# Altium PCB JacdacMicroBitShieldLPEc 113.PcbDoc
Units mm, origin at the board's own origin, x right, y up, seen from the top; angles counter-clockwise.
Board outline 29.6 x 65 mm, 2 copper layers (Top Layer, Bottom Layer), stack 1.525 mm thick; 33 components, 11 nets, 160 pads, 32 vias.
Unrouted connection lines stored in the file: 32.
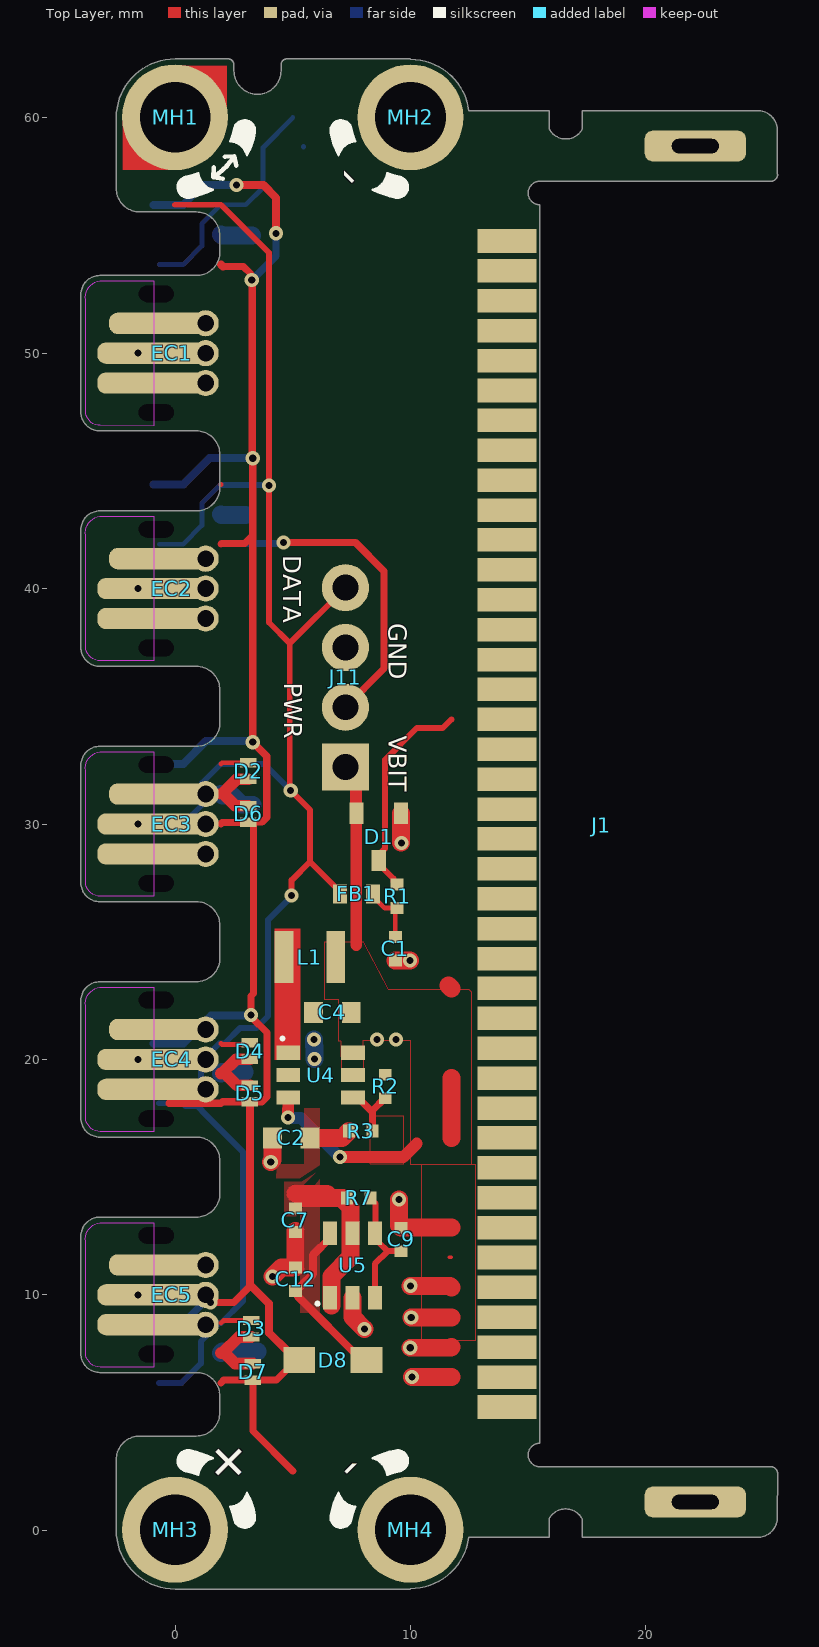
[diagram p0: Top Layer view]
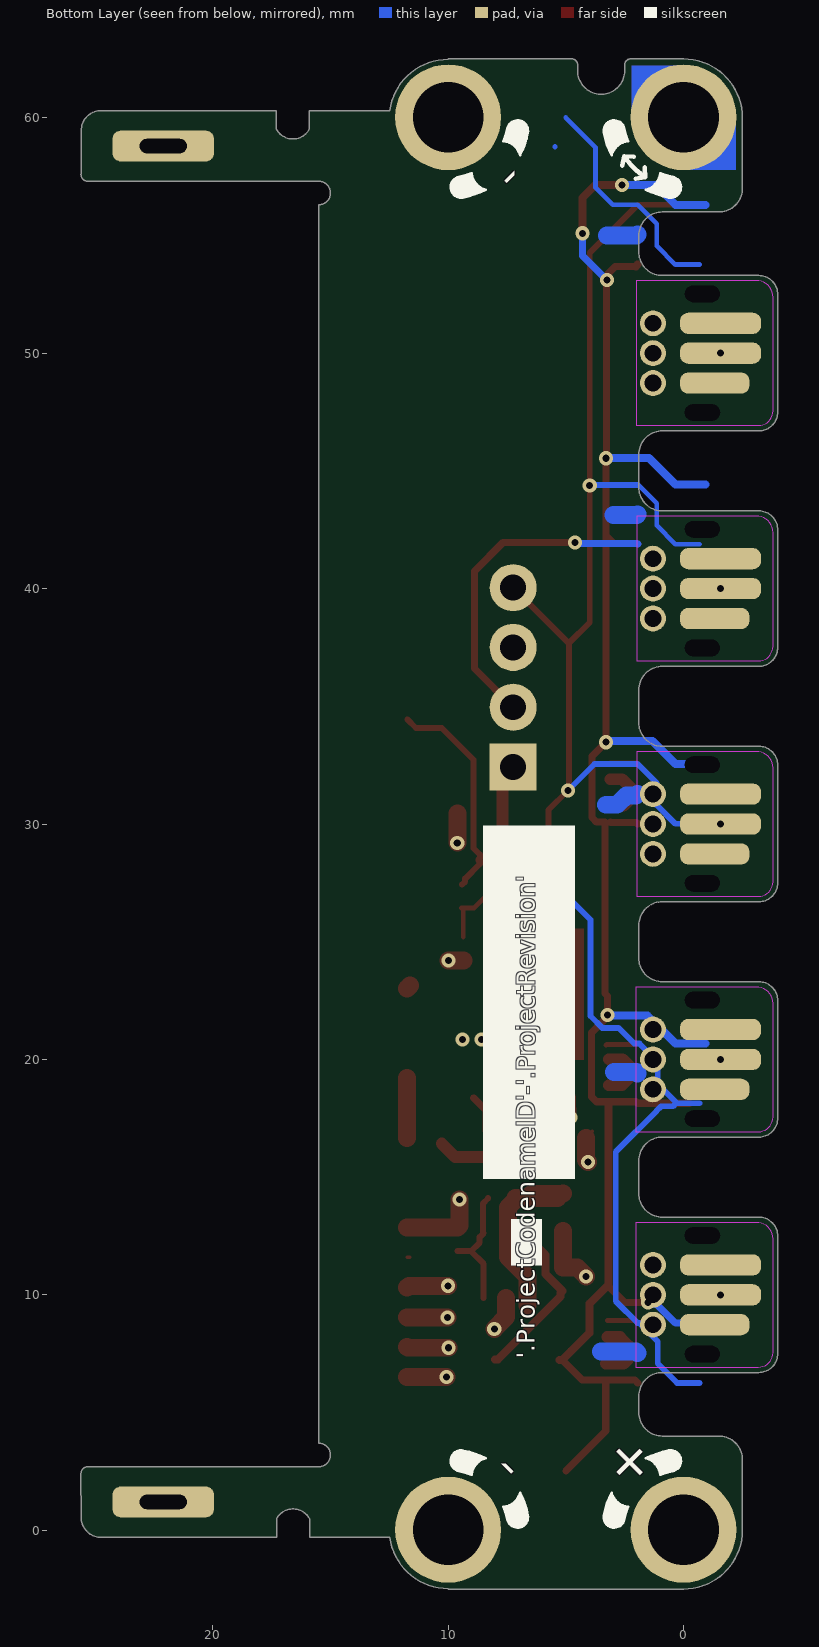
[diagram p1: Bottom Layer view, seen from below]

## Layer stack, top to bottom
Top Solder: solder mask 0.0102, Solder Resist, Dk 3.5
Top Layer: signal copper 0.0356
Dielectric 1: core 1.454, FR-4, Dk 4.2
Bottom Layer: signal copper 0.0356
Bottom Solder: solder mask 0.0102, Solder Resist, Dk 3.5

## Board outline
-4,7.5 ccw(c-3.2,7.5) -3.2,6.7 0.9,6.7 cw(c0.9,5.7) 1.9,5.7 1.9,5 cw(c0.9,5) 0.9,4 -1.5,4 ccw(c-1.5,3) -2.5,3 -2.5,3.03 -2.5,0 ccw(c0,0) 0,-2.5 10,-2.5 9.998,-2.479 ccw(c9.998,0.021) 12.477,-0.303 12.473,-0.303 15.888,-0.303 15.888,0.49 cw(c16.588,0.108) 17.288,0.49 17.288,-0.299 24.727,-0.299 24.736,-0.302 ccw(c24.736,0.548) 25.586,0.548 25.599,2.4 ccw(c25.299,2.4) 25.299,2.7 15.5,2.7 cw(c15.5,3.2) 15.5,3.7 15.5,30 15.5,56.301 cw(c15.5,56.801) 15.5,57.301 15.5,57.3 25.299,57.3 ccw(c25.299,57.6) 25.599,57.6 25.587,57.6 25.587,59.453 ccw(c24.736,59.453) 24.736,60.303 17.298,60.303 17.298,59.514 17.297,59.515 cw(c16.597,59.897) 15.897,59.515 15.898,59.514 15.898,60.304 12.479,60.304 12.479,60.303 ccw(c10,59.979) 10,62.479 10,62.5 4.75,62.5 ccw(c4.75,62.25) 4.5,62.25 4.5,62 cw(c3.5,62) 2.5,62 2.5,62.25 ccw(c2.25,62.25) 2.25,62.5 0,62.5 ccw(c0,60) -2.5,60 -2.5,56.97 -2.5,57 ccw(c-1.5,57) -1.5,56 0.9,56 cw(c0.9,55) 1.9,55 1.9,54.3 1.902,54.3 cw(c0.902,54.3) 0.902,53.3 0.9,53.3 -3.2,53.3 ccw(c-3.2,52.5) -4,52.5 -4,47.5 ccw(c-3.2,47.5) -3.2,46.7 0.9,46.7 cw(c0.9,45.7) 1.9,45.7 1.902,44.3 cw(c0.902,44.3) 0.902,43.3 0.9,43.3 -3.2,43.3 ccw(c-3.2,42.5) -4,42.5 -4,37.5 ccw(c-3.2,37.5) -3.2,36.7 0.9,36.7 cw(c0.9,35.7) 1.9,35.7 1.902,34.3 cw(c0.902,34.3) 0.902,33.3 0.9,33.3 -3.2,33.3 ccw(c-3.2,32.5) -4,32.5 -4,27.5 ccw(c-3.2,27.5) -3.2,26.7 0.9,26.7 cw(c0.9,25.7) 1.9,25.7 1.902,24.3 cw(c0.902,24.3) 0.902,23.3 0.9,23.3 -3.2,23.3 ccw(c-3.2,22.5) -4,22.5 -4,17.5 ccw(c-3.2,17.5) -3.2,16.7 0.9,16.7 cw(c0.9,15.7) 1.9,15.7 1.902,14.3 cw(c0.902,14.3) 0.902,13.3 0.9,13.3 -3.2,13.3 ccw(c-3.2,12.5) -4,12.5

## Design rules (kind name [scope] priority, off if disabled: settings)
AssemblyTestPointUsage [All] p1: valid=2
BoardOutlineClearance IGNORE_ALIGNMENT_HOLES [InComponent('J1')] p1: gap=0.075 ignorepadtopadclearanceinfootprint=FALSE except(0: THPad-OutlineEdge)
BoardOutlineClearance IGNORE_KEEPOUT [IsKeepOut] p2: gap=0 ignorepadtopadclearanceinfootprint=FALSE
BoardOutlineClearance POLY_COPPER_DISTANCE [IsPolygon] p3: gap=0.3 ignorepadtopadclearanceinfootprint=FALSE
BoardOutlineClearance [All] p4: gap=0.075 ignorepadtopadclearanceinfootprint=FALSE
Clearance CLEARANCE_MH [InNamedPolygon('GND') vs InComponent('MH1') or InComponent('MH4')] p1: gap=0 ignorepadtopadclearanceinfootprint=FALSE except(1: THPad-Fill THPad-Poly THPad-Region)
Clearance CLEARANCE_POLY_DC_DC [InNamedPolygon('DC_DC_VUBIT') or InNamedPolygon('DC_DC_4V05') or InNamedPolygon('DC_DC_GND')] p2: gap=0 ignorepadtopadclearanceinfootprint=FALSE except(0.15: Fill-Fill Fill-Poly Fill-Region Poly-Poly Poly-Region Region-Region)
Clearance [All] p3: gap=0.125 ignorepadtopadclearanceinfootprint=FALSE
DiffPairsRouting [All] p1: maxlimit=2 minlimit=0.15 mostfreqgap=0.15 toplayer_minwidth=0.15 toplayer_maxwidth=2 toplayer_prefwidth=0.15 bottomlayer_minwidth=0.15 bottomlayer_maxwidth=2 bottomlayer_prefwidth=0.15 maxuncoupledlength=25
FabricationTestPointUsage [All] p1: valid=2 allowmultiple=FALSE
HoleSize [All] p1: absolutevalues=TRUE maxlimit=5 minlimit=0.2 maxpercent=80.000 minpercent=20.000
MinimumSolderMaskSliver [All] p1: minsoldermaskwidth=0.005
PlaneClearance [All] p1: clearance=0.3
PlaneConnect [All] p1: planeconnectstyle=Relief reliefexpansion=0.5 reliefentries=4 reliefconductorwidth=0.2 reliefairgap=0.3
PolygonConnect CONNECT_POLY_DC_DC [IsNamedPolygon('DC_DC_GND') or IsNamedPolygon('DC_DC_VUBIT') or IsNamedPolygon('GND') or IsNamedPolygon('DC_DC_4V05')] p1: connectstyle=Relief reliefconductorwidth=0.254 reliefentries=4 polygonreliefangle="90 Angle" airgapwidth=0
PolygonConnect [All] p2: connectstyle=Relief reliefconductorwidth=0.2 reliefentries=4 polygonreliefangle="90 Angle" airgapwidth=0.2
RoutingVias [All] p1: holewidth=0.3 width=0.6 viastyle="Through Hole" minholewidth=0.3 minwidth=0.6 maxholewidth=0.3 maxwidth=0.8
SilkToSilkClearance [All] p1: silktosilkclearance=0.001
SilkToSolderMaskClearance [IsPad] p1: minsilkscreentomaskgap=0.05 clearancetoexposedcopper=TRUE
SolderMaskExpansion SolderMaskExpansion_1 [IsVia] p1: expansion=0.102 istentingtop=TRUE useseparateexpansions=TRUE expansionbottom=0.102 istentingbottom=TRUE
SolderMaskExpansion [All] p2: expansion=0.075 istentingtop=FALSE
Width [All] p1: maxlimit=2 minlimit=0.15 preferedwidth=0.15 minimp=50.000000 maximp=50.000000 favimp=50.000000
21 further rules are at their usual default settings.

## Components (designator, comment, footprint, x,y, rotation, side; value= is the part's Value field where it differs from the comment)
C1 "CL05C330JB51PNC" "C0402_0.55MM - without outline" 9.354,24.703 r90 top
C2 "CL10A106KP8NNNC" "C0603 - without outline" 4.934,16.666 r0 top locked
C4 "CL10A106KP8NNNC" "C0603 - without outline" 6.684,21.999 r0 top
C7 "CL05A475MP5NRNC" "R0402 - Without outline" 5.109,13.171 r90 top
C9 "CL05A475MP5NRNC" "R0402 - Without outline" 9.604,12.353 r270 top
C12 "CL05A475MP5NRNC" "R0402 - Without outline" 5.117,10.664 r270 top
D1 "BAT54S" "NXP-BAT54S-TO-236AB - without outline" 8.654,29.453 r270 top
D2 "RCLAMP0521P-N" "TVS 0402 - L" 3.114,32.251 r270 top
D3 "RCLAMP0521P-N" "TVS 0402 - L" 3.24,8.559 r270 top
D4 "RCLAMP0521P-N" "TVS 0402 - L" 3.179,20.353 r270 top
D5 "RCLAMP0521P-N" "TVS 0402 - L" 3.179,18.553 r90 top
D6 "RCLAMP0521P-N" "TVS 0402 - L" 3.104,30.428 r90 top
D7 "RCLAMP0521P-N" "TVS 0402 - L" 3.304,6.728 r90 top
D8 "MBR120VLSFT3G" MBR120VLSFT3G 6.704,7.228 r0 top
EC1 "Jacdac edge connector" JACDAC_EDGE_CONNECTOR_NO_TRACES 1.85,50 r90 top
EC2 "Jacdac edge connector" JACDAC_EDGE_CONNECTOR_NO_TRACES 1.85,40 r90 top
EC3 "Jacdac edge connector" JACDAC_EDGE_CONNECTOR_NO_TRACES 1.85,30 r90 top
EC4 "JACDAC edge connector" JACDAC_EDGE_CONNECTOR_NO_TRACES 1.85,20 r90 top
EC5 "Jacdac edge connector" JACDAC_EDGE_CONNECTOR_NO_TRACES 1.85,10 r90 top
FB1 "TDK MPZ1608S102ATA00" "TDK MPZ1608 0.8mm - without outline" 7.704,27.028 r0 top
J1 "Planar 1x40p 1.27 mm pitch edge connector for the micro:bit" MIC127-140-D01 15.5,30 r270 top
J11 "0.1\"" "Generic 1x4 2.54mm header" 7.239,34.961 r270 top
L1 "NRH3010T100MN" NRH3010T100MN 5.723,24.347 r180 top
MH1 "MH_6.5MMK_4.5MMC_3.0MMD_PTH" MH_6.5MMK_4.5MMC_3.0MMD_PTH 0,60.021 r0 top
MH2 "MH_6.5MMK_4.5MMC_3.0MMD_PTH" MH_6.5MMK_4.5MMC_3.0MMD_PTH 9.998,60.021 r0 top
MH3 "MH_6.5MMK_4.5MMC_3.0MMD_PTH" MH_6.5MMK_4.5MMC_3.0MMD_PTH 0,0.021 r0 top
MH4 "MH_6.5MMK_4.5MMC_3.0MMD_PTH" MH_6.5MMK_4.5MMC_3.0MMD_PTH 9.998,0.021 r0 top
R1 "0402WGF2200TCE" "R0402 - Without outline" 9.429,26.928 r270 top
R2 "RC0402FR-07137KL" "R0402 - Without outline" 8.929,18.853 r270 top
R3 "0402WGF1004TCE" "R0402 - Without outline" 7.885,16.953 r180 top
R7 "0402WGF1004TCE" "R0402 - Without outline" 7.806,14.118 r180 top
U4 "TLV61220" "TI-TLV61220 - without_outline" 6.184,19.335 r0 top locked
U5 "TPS2553DBVR" "TI-TPS2553 - without_outline" 7.538,11.247 r90 top

## Footprints (in the part's own frame and the unit in brackets; to place one, negate y for a bottom-side part, rotate by r counter-clockwise, add the part's x,y. Pads: shape width x height; smd on the part's side, far side on the other; paste and mask are expansions set on the pad)
"C0402_0.55MM - without outline" [mm]
  rect 0.5x0.55 smd: 1(-0.5,0) 2(0.5,0)
  body extent -0.5,-0.25 0.5,0.25, height 0.55
"C0603 - without outline" [mm]
  rect 0.8x0.9 smd: 1(-0.8,0) 2(0.8,0)
  body extent -0.9,-0.5 0.9,0.5, height 0.9
"Generic 1x4 2.54mm header" [mm] "1x4 2.54mm 0.1\" header vertical th"
  rect 2x2 hole 1.1: 1(2.54,0)
  round 2 hole 1.1: 2(0,0) 3(-2.54,0) 4(-5.08,0)
  body extent -6.35,-1.27 3.81,1.27, height 8.65
JACDAC_EDGE_CONNECTOR_NO_TRACES [mm] "JacDac 3 pin connector with no traces"
  rrect78% 0.9x2.95 smd far side paste-1 mask+0: 1(-1.27,3.175)
  rrect78% 0.9x4.3 smd paste-1 mask+0: 1(1.27,2.5)
  round 1.11 / inner round 0.71 / far side round 1.1 hole 0.71 paste-0.254 mask+0: 1(1.27,0.55) 2(0,0.55) 3(-1.27,0.55)
  rrect78% 0.9x3.45 smd far side paste-1 mask+0: 2(0,3.425) 3(1.27,3.425)
  rrect78% 0.9x4.8 smd paste-1 mask+0: 2(0,2.75) 3(-1.27,2.75)
  round 0 hole 0.7 slot 1.5 at 90 deg unplated: ""(-2.52,2.65) ""(2.52,2.65)
  Top Layer keep-out region: -3.075,2.75 -3.07,5.033 -2.987,5.341 -2.761,5.567 -2.453,5.65 -2.453,5.65 2.27,5.65 2.545,5.635 2.794,5.516 2.978,5.31 3.07,5.05 3.07,5.05 3.07,2.75
  Bottom Layer lines w0.2: -1.27,0.85 -1.126,0.85
  Bottom Layer keep-out region: -3.07,-0.15 -3.07,5.033 -3.023,5.269 -2.889,5.469 -2.689,5.603 -2.453,5.65 -2.453,5.65 2.27,5.65 2.545,5.635 2.794,5.516 2.978,5.31 3.07,5.05 3.07,5.05 3.07,-0.15
MBR120VLSFT3G [mm] "SODFL, 2-Leads, Body 1.65x3.60mm, IPC Medium Density"
  rect 1.35x1.1 smd: 1(-1.425,0) 2(1.425,0)
  body extent -1.73,-0.82 1.72,0.82, height 0.95
MH_6.5MMK_4.5MMC_3.0MMD_PTH [mm] "Jacdac mounting hole 6.5mm clearance, 4.5 annualar ring and 3.0mm PTH"
  round 4.5 hole 3 mask+0.3: 1(0,0)
MIC127-140-D01 [mm] "Planar 1x40p 1.27 mm pitch edge connector for the micro:bit"
  rect 1x2.5 smd paste-0.254: 1(-24.765,-1.4) 2(-23.495,-1.4) 3(-22.225,-1.4) 4(-20.955,-1.4) 5(-19.685,-1.4) 6(-18.415,-1.4) 7(-17.145,-1.4) 8(-15.875,-1.4) 9(-14.605,-1.4) 10(-13.335,-1.4) 11(-12.065,-1.4) 12(-10.795,-1.4) 13(-9.525,-1.4) 14(-8.255,-1.4) 15(-6.985,-1.4) 16(-5.715,-1.4) 17(-4.445,-1.4) 18(-3.175,-1.4) 19(-1.905,-1.4) 20(-0.635,-1.4) 21(0.635,-1.4) 22(1.905,-1.4) 23(3.175,-1.4) 24(4.445,-1.4) 25(5.715,-1.4) 26(6.985,-1.4) 27(8.255,-1.4) 28(9.525,-1.4) 29(10.795,-1.4) 30(12.065,-1.4) 31(13.335,-1.4) 32(14.605,-1.4) 33(15.875,-1.4) 34(17.145,-1.4) 35(18.415,-1.4) 37(20.955,-1.4) 38(22.225,-1.4) 39(23.495,-1.4) 40(24.765,-1.4)
  rect 1x2.5 smd: 36(19.685,-1.4)
  rrect50% 1.3x4.3 hole 2 slot 0.6 at 0 deg: 41(-28.8,6.6) 42(28.8,6.6)
  round 0 hole 1.15 unplated mask+0: 43(-29.8,1.1) 44(29.892,1.1)
  body extent -30.3,-1.7 30.3,10.1, height 2.95
NRH3010T100MN [mm]
  rect 0.8x2.2 smd paste-0.254: 1(-1.1,0) 2(1.1,0)
  body extent -1.5,-1.5 1.5,1.5, height 1
"NXP-BAT54S-TO-236AB - without outline" [mm] "SOT23, 3-Leads, Body 2.90x2.30mm, Pitch 0.95mm, IPC Medium Density"
  rect 0.9x0.6 smd: 1(-1,0.95) 2(-1,-0.95) 3(1,0)
  body extent -1.32,-1.5 1.32,1.5, height 1.12
"R0402 - Without outline" [mm]
  rect 0.5x0.55 smd: 1(-0.5,0) 2(0.5,0)
  body extent -0.5,-0.25 0.5,0.25, height 0.35
"TDK MPZ1608 0.8mm - without outline" [mm]
  rect 0.6x0.8 smd paste-0.1: 1(-0.7,0) 2(0.7,0)
  body extent -0.8,-0.4 0.8,0.4, height 0.8
"TI-TLV61220 - without_outline" [mm] "SOT23, 6-Leads, Body 2.90x2.80mm, Pitch 0.95mm, IPC Medium Density"
  rect 1x0.6 smd: 1(-1.375,0.95) 2(-1.375,0) 3(-1.375,-0.95) 4(1.375,-0.95) 5(1.375,0) 6(1.375,0.95)
  body extent -1.52,-1.52 1.53,1.53, height 1.1
"TI-TPS2553 - without_outline" [mm] "SOT23, 6-Leads, Body 2.90x2.80mm, Pitch 0.95mm, IPC Medium Density"
  rect 1x0.6 smd: 1(-1.375,0.95) 2(-1.375,0) 3(-1.375,-0.95) 4(1.375,-0.95) 5(1.375,0) 6(1.375,0.95)
  body extent -1.52,-1.52 1.53,1.53, height 1.1
"TVS 0402 - L" [mm] "TVS 0402 RoHS"
  rect 0.4x0.7 smd paste-0.038 mask+0.05: 1(-0.35,0) 2(0.35,0)
  body extent -0.5,-0.3 0.5,0.3, height 0.5

## Part data
C1: "CAP CER 33PF 50V NP0 0402", Capacitance=33pF, Case Code (Imperial)=0402, Case Code (Metric)=1005, Manufacturer=Samsung, Max Operating Temperature=125°C, Min Operating Temperature=-55°C, Ratings=AEC-Q200, Supplier Part Number 1=1276-6515-1-ND, Tolerance=5%, Voltage Rating=50V, Case/Package=0402, Category=Capacitors, Checked=?, ComponentLink1Description="Samsung datasheet online", ComponentLink1URL=http://www.samsungsem.com/kr/support/library/product-catalog/mlcc.jsp, Created=DG, Lead Free="Lead Free", Length=0.039inch, Manufacturer Part Number=CL05C330JB51PNC, Mount="Surface Mount", Packaging="Tape and Reel", Pricing 1="1=0.10000, 10=0.07500, 50=0.04060, 100=0.03320, 500=0.02374, 1000=0.01865, 2500=0.01696, 5000=0.01560 (USD)", Pricing 2="1=0.11000, 10=0.08200, 100=0.03600, 500=0.02600, 1000=0.02000, 2500=0.01800 (USD)", Pricing 3="10000=0.00780 (USD)", RoHS=Yes, Stock 1=250654, Stock 2=97900, Stock 3=100000, Supplier 1=Digi-Key, Supplier 2=Mouser, Supplier 3="Future Electronics", Supplier Part Number 2=187-CL05C330JB51PNC, Supplier Part Number 3=6022520, Thickness=0.022inch, Width=0.02inch
C2 C4: "CAP CER 10UF 10V X5R 0603", Capacitance=10uF, Case Code (Imperial)=0603, Case Code (Metric)=1608, Dielectric=X5R, Manufacturer=Samsung, Max Operating Temperature=85°C, Min Operating Temperature=-55°C, Package Quantity=1, Supplier Part Number 1=1276-1192-1-ND, Tolerance=10%, Voltage Rating=10V, Case/Package=0603, Category="Ceramic Capacitors", ComponentLink1Description="Online datasheet", ComponentLink1URL=https://datasheet.ciiva.com/26877/getdatasheetpartid-359551-26877881.pdf, Contact Plating=Tin, Depth=0.8mm, Height=0.8mm, Lead Free="Lead Free", Length=1.6mm, Manufacturer Part Number=CL10A106KP8NNNC, Material=Ceramic, Mount="Surface Mount", Packaging="Tape and Reel", Pricing 1="1=0.21000, 10=0.14800, 50=0.08420, 100=0.06980, 500=0.04892, 1000=0.04050 (USD)", Pricing 2="1=0.19000, 10=0.13200, 100=0.06700, 500=0.04500, 1000=0.04000, 2500=0.03400 (USD)", Pricing 3="10=0.08380, 100=0.06930, 500=0.04170, 1000=0.03410, 2000=0.03370, 4000=0.02700, 20000=0.02200 (GBP)", Radiation Hardening=No, RoHS=Yes, Stock 1=1098575, Stock 2=194338, Stock 3=11777, Supplier 1=Digi-Key, Supplier 2=Mouser, Supplier 3=Farnell, Supplier Part Number 2=187-CL10A106KP8NNNC, Supplier Part Number 3=3013386, Thickness=0.035inch, Voltage Rating (DC)=10V, Width=0.031inch
C7 C9 C12: "CAP CER 4.7UF 10V X5R 0402", Capacitance=4.7uF, Case Code (Imperial)=0402, Case Code (Metric)=1005, Dielectric=X5R, Manufacturer=Samsung, Max Operating Temperature=85°C, Min Operating Temperature=-55°C, Package Quantity=10000, Supplier Part Number 1=1276-1482-2-ND, Tolerance=20%, Voltage Rating=10V, Case/Package=0402, Category="Ceramic Capacitors", Checked By=?, ComponentLink1Description="Online datasheet", ComponentLink1URL=https://datasheet.ciiva.com/25786/cl05a475mp5nrnc-25786963.pdf, Created By="D. Gakure", Lead Free="Lead Free", Length=0.039inch, Manufacturer Part Number=CL05A475MP5NRNC, Mount="Surface Mount", Packaging="Tape and Reel", Pricing 1="10000=0.01405, 20000=0.01338 (USD)", Pricing 2="1=0.23500, 500=0.03970, 1500=0.02900, 2500=0.02500, 5000=0.02050 (USD)", RoHS=Yes, RoHS Compliant=Yes, Series=CL, Stock 1=840000, Stock 2=2004, Supplier 1=Digi-Key, Supplier 2="Future Electronics", Supplier Part Number 2=2103694, Thickness=0.022inch, Width=0.02inch
D1: "DIODE ARRAY SCHOTTKY 30V SOT23", Manufacturer=Nexperia, Manufacturer Part Number=BAT54S,235, Supplier Part Number 1=1727-1868-1-ND, Category="Rectifier Diodes", ComponentLink1Description="NXP datasheet online", ComponentLink1URL=https://assets.nexperia.com/documents/data-sheet/BAT54_SER.pdf, Pricing 1="1=0.13000, 10=0.11900, 100=0.05610, 500=0.03326, 1000=0.02185, 5000=0.02138 (USD)", RoHS=No, Stock 1=14011, Supplier 1=Digi-Key, Supplier 2=Mouser, Supplier 3=RSComponents, Supplier Part Number 2=771-BAT54S235, Supplier Part Number 3=1707990
D2 D3 D4 D5 D6 D7: "Bidirectional 5V (Max) 6V 16V 3.5A (8/20us) 0402 TVS RoHS", Manufacturer="Born Semiconductor", Package=0402, Supplier1 Part Number=C316043, Checked By=?, ComponentLink1Description="Online datasheet", ComponentLink1URL=https://datasheet.lcsc.com/szlcsc/Bourne-Semicon-Shenzhen-RCLAMP0521P-N_C316043.pdf, Created By="D Gakure", Manufacturer Part Number=RCLAMP0521P-N, Supplier1=LCSC
D8: "DIODE SCHOTTKY 20V 1A SOD123FL", Average Rectified Current=1A, Forward Voltage=340mV, Manufacturer="ON Semiconductor", Max Forward Surge Current (Ifsm)=45A, Max Operating Temperature=125°C, Max Repetitive Reverse Voltage (Vrrm)=20V, Max Reverse Leakage Current=600uA, Min Operating Temperature=-65°C, Package Quantity=10000, Supplier Part Number 1=MBR120VLSFT3GOSCT-ND, Category="Schottky Diodes", ComponentLink4Description="On Semi datasheet online", ComponentLink4URL=https://datasheet.ciiva.com/6380/mbr120vlsft1-d-6380910.pdf, Current Rating=1A, Element Configuration=Single, Forward Current=1A, Halogen Free="Halogen Free", Lead Free="Lead Free", Manufacturer Part Number=MBR120VLSFT3G, Max Reverse Voltage (DC)=20V, Max Surge Current=45A, Number of Pins=2, Output Current=1A, Packaging="Tape and Reel", Peak Non-Repetitive Surge Current=45A, Peak Reverse Current=600uA, Polarity=Standard, Pricing 1="1=0.39000, 10=0.28600, 100=0.19920, 500=0.12616, 1000=0.10292, 2000=0.09960, 5000=0.09628 (USD)", Radiation Hardening=No, REACH SVHC="No SVHC", RoHS=Yes, Stock 1=32481, Supplier 1=Digi-Key, Supplier 2=Mouser, Supplier 3=RSComponents, Supplier Part Number 2=863-MBR120VLSFT3G, Supplier Part Number 3=1867479, Voltage Rating (DC)=20V
EC1 EC2 EC3 EC4 EC5: "3 pin jacdac edge connector 1.27mm pitch", Manufacturer Part Number=JACDAC_EDGE_CONNECTOR, Checked By=?, ComponentLink1Description="Yuliang JACDAC cable connector drawing online", ComponentLink1URL=https://github.com/microsoft/jacdac-mdk/blob/main/connector/JACDAC-Connector-by-Yuliang-2020-11-28.pdf, ComponentLink2Description="JACDAC PCB edge connector spec onlin", ComponentLink2URL=https://github.com/microsoft/jacdac-mdk/blob/main/connector/JACDAC_PCB_Edge_Connector_Drawing_JD-PEC-01_rev_01.pdf, Created By="D. Gakure", PCB Type="1.6mm FR4"
FB1: "0603 1k@100MHz 0.8A chip", Case Code (Imperial)=0603, Case Code (Metric)=1608, Current Rating=800mA, DC Resistance (DCR)=300mR, Manufacturer=TDK, Manufacturer Part Number=MPZ1608S102ATA00, Package Quantity=4000, Supplier Part Number 1=445-8694-1-ND, Tolerance=25%, Case/Package=0603, ComponentLink2Description="datasheet online", ComponentLink2URL=https://www.mouser.co.uk/datasheet/2/400/eads_commercial_power_mpz1608_en-923650.pdf, ComponentLink3Description=datasheet, ComponentLink3URL="Y:\System\Altium\Libraries 2014\TDK\Datasheets\eads_commercial_power_mpz1608_en-923650.pdf", Core Material=Ferrite, Height=0.037inch, Impedance="1kR @ 100MHz", Length=0.063inch, Max DC Current=800mA, Mount="Surface Mount", Packaging="Tape and Reel", Pricing 1="1=0.1, 10=0.079, 25=0.0716, 50=0.0644, 100=0.0472, 250=0.03432, 500=0.03146, 1000=0.02717 (USD)", Stock 1=113542, Supplier 1=Digi-Key, Supplier 2=Mouser, Supplier Part Number 2=810-MPZ1608S102ATA00, Width=0.031inch
J1: library part MIC127-140-D01, "\"Same plane\" 1x40p 1.27mm Dongguan Yuliang BBC micro:bit edge connector", Manufacturer="Dongguan Yuliang", ComponentLink1Description="Yuliang drawing", ComponentLink1URL="Y:\System\Altium\Libraries 2014\Yuliang\Datasheets\YULIANG-MIC127-140-D01.pdf", ComponentLink2Description="Yuliang drawing online", ComponentLink2URL=http://www.dgyuliang.net/d/file/Produtcs/Customized%20Connector/MICRO%20BIT%20Connector/aff70b8859d81d58072ddeb323d41b1d.pdf, Manufacturer Part Number=MIC127-140-D01
J11: library part "Header Multicomp 2211S-04G-whitesch", "2.54mm, 4x1 way, vertical, square pin, gold plate", Contact Resistance=20, Current Rating=3, Flammability Rating=UL94V-0, Insulation Resistance=1000, Manufacturer=Multicomp, Manufacturer Part Number=2211S-04G, Operating Temperature Max=105, Operating Temperature Min=-40, Supplier Part Number 1=1593413, Voltage Rating V AC=250, Withstand Voltage="600V<!--FANDB--><div class=\"features-and-benefits-container\"><div class=\"features-and-benefits-description\"><span class=\"features-benefits-value\">The 2211S-04G is a 4-pin 1-row PCB Header with gold plated copper alloy contacts and a black high temperature plastic (PBT) insulator. This board-to-board holder is ideal for through hole vertical mounting.</span></div><div class=\"features-and-benefits-list\"><ul class=\"features-and-benefits-list-list\"><li class=\"features-and-benefits-list-item\">3A AC/DC Rated current</li><li class=\"features-and-benefits-list-item\">250VAC/DC Rated voltage</li><li class=\"features-and-benefits-list-item\">20", ComponentLink1Description="header strip datasheet", ComponentLink1URL=http://www.farnell.com/datasheets/1518407.pdf, Contact Material="Copper Alloy", Contact Plating="Gold Plated Contacts", Contact Termination=Solder, Contact Termination Type="Through Hole", Created By=HUGHWI, Gender=Header, Lead Spacing=2.54, No. of Contacts=4, No. of Rows=1, Pitch Spacing=2.54, Pricing 1="1=0.0973, 5=0.0918, 25=0.0864, 50=0.0808, 100=0.0753, 250=0.032 (GBP)", Product Range=2211, RoHS=YES, Stock 1=2760, Supplier 1=Farnell, SVHC="No SVHC (17-Dec-2015)", Termination Method=Solder
L1: "Inductor, Shielded, 10uH, 600mA, SMD; NRH Series; Inductance:10 H; Inductance Tolerance: 20%; Inductor Construction:Shielded; DC Resistance Max:0.35ohm; RMS Current (Irms):620mA; Saturation Current (Isat):600mA ;RoHS Compliant: Yes", Case/Package=3010, Current Rating=620mA, DC Resistance (DCR)=350mR, Inductance=10uH, Inductance Tolerance=20%, Manufacturer="Taiyo Yuden", Max DC Current=600mA, Max Operating Temperature=120°C, Min Operating Temperature=-25°C, Package Quantity=2000, Self Resonant Frequency=34MHz, Supplier Part Number 1=587-2575-1-ND, Test Frequency=100kHz, Category="Fixed Inductors", ComponentLink2Description="Taiyo Yuden spec sheet online", ComponentLink2URL=https://datasheet.ciiva.com/1043/nrh3010t100mn-ss-1043273.pdf, ComponentLink3Description="Taiyo Yuden data sheet (2015) online", ComponentLink3URL=https://datasheet.ciiva.com/8002/wound04-e-8002182.pdf?src-supplier=Element14, Composition=Wirewound, Core Material=Ferrite, Depth=3.1mm, Halogen Free="Halogen Free", Height=1mm, Height - Seated (Max)=0.039inch, Lead Free="Lead Free", Length=3mm, Manufacturer Part Number=NRH3010T100MN, Mount="Surface Mount", Packaging="Tape and Reel", Pricing 1="1=0.31000, 10=0.27600, 25=0.24120, 50=0.20680, 100=0.18950, 250=0.17224, 500=0.16192, 1000=0.12402 (USD)", Radiation Hardening=No, REACH SVHC=Unknown, RMS Current (Irms)=620mA, RoHS=Yes, Saturation Current=600mA, Shielding=Shielded, Stock 1=2000, Supplier 1=Digi-Key, Supplier 2=Mouser, Supplier Part Number 2=963-NRH3010T100MN, Termination=SMD/SMT, Tolerance=20%, Width=3mm
MH1 MH2 MH3 MH4: "Mounting Hole 6.5mm keepout, 4.5mm annualar ring and 3.0mm Drill PTH"
R1: "RES SMD 220 OHM 1% 1/16W 0402", Case Code (Imperial)=0402, Manufacturer="Uniroyal Elec", Resistance=220R, Tolerance=1%, Manufacturer Part Number=0402WGF2200TCE
R2: "RES SMD 137K OHM 1% 1/16W 0402", Case Code (Imperial)=0402, Case Code (Metric)=1005, Manufacturer=Yageo, Max Operating Temperature=155°C, Max Power Dissipation=63mW, Min Operating Temperature=-55°C, Power Rating=62.5mW, Resistance=137kR, Resistor Type="Thick Film", Supplier Part Number 1=YAG2972CT-ND, Temperature Coefficient=100ppm/°C, Tolerance=1%, Voltage Rating=50V, Case/Package=0402, Category="Chip SMD Resistors", ComponentLink1Description="Online datasheet", ComponentLink1URL=https://datasheet.ciiva.com/16744/pyu-rc0402-51-rohs-l-6-r-16744009.pdf, Construction=Rectangular, Contact Plating=Tin,Matte, Depth=0.5mm, Features="Moisture Resistant", Height=0.016inch, Lead Free="Lead Free", Length=1mm, Manufacturer Part Number=RC0402FR-07137KL, Military Standard=Not, Number of Terminations=2, Packaging="Tape and Reel", Pricing 1="1=0.10000, 10=0.01600, 100=0.00660, 1000=0.00299, 2500=0.00259, 5000=0.00214 (USD)", Pricing 2="10000=0.00090, 20000=0.00088, 40000=0.00086, 60000=0.00084, 80000=0.00081, 100000=0.00079, 1000000=0.00077 (USD)", Pricing 3="1=0.10000, 10=0.01600, 50=0.01600, 100=0.00600, 1000=0.00300, 10000=0.00100 (USD)", RoHS=Yes, RoHS Compliant=Yes, Series=RC, Stock 1=47599, Supplier 1=Digi-Key, Supplier 2=Avnet, Supplier 3=Mouser, Supplier Part Number 2=RC0402FR-07137KL, Supplier Part Number 3=603-RC0402FR-07137KL, Technology="THICK FILM", Termination=SMD/SMT, Width=0.02inch, Working Voltage=50V
R3 R7: "RES SMD 1M OHM 1% 1/16W 0402", Case Code (Imperial)=0402, Manufacturer="Uniroyal Elec", Resistance=1M, Tolerance=1%, Manufacturer Part Number=0402WGF1004TCE
U4: "IC REG BST ADJ 0.22A SYNC SOT23", Case/Package=SOT-23-6, Manufacturer 1="Texas Instruments", Manufacturer Part Number=TLV61220DBVR, Max Input Voltage=5.5V, Max Operating Temperature=85°C, Max Output Current=400mA, Min Input Voltage=700mV, Min Operating Temperature=-40°C, Min Output Voltage=1.8V, Output Current=200mA, Package Quantity=1, Quiescent Current=5uA, Supplier Part Number 1=296-30547-1-ND, Switching Frequency=2MHz, Category="Voltage Regulators - Switching", ComponentLink5Description="Datasheet (online)", ComponentLink5URL=https://www.ti.com/lit/ds/symlink/tlv61220.pdf, ComponentLink6Description="Datasheet (offline)", ComponentLink6URL="Y:\System\Altium\Libraries 2014\TexasInstruments\datasheets\tlv61220.pdf", Efficiency=95%, Height=1.3mm, Lead Free="Lead Free", Length=3.05mm, Max Output Voltage=5.5V, Mount="Surface Mount", Number of Outputs=1, Number of Pins=6, Output Configuration=Positive, Output Type=Adjustable, Output Voltage=5.5V, Packaging="Tape and Reel", Pricing 1="1=0.99000, 10=0.88500, 25=0.84000, 100=0.64500, 250=0.57000, 500=0.54000, 1000=0.42000 (USD)", Radiation Hardening=No, REACH SVHC="No SVHC", RoHS=Yes, Stock 1=42159, Supplier 1=Digi-Key, Supplier 2=Farnell, Supplier 3=Mouser, Supplier Part Number 2=3007284, Supplier Part Number 3=595-TLV61220DBVR, Synchronous Rectifier=Yes, Topology=Boost, Width=1.75mm
U5: "POWER LOAD SWITCH, HIGH SIDE, SOT-23-6; Power Load Switch Type:High Side; Input Voltage:6.5V; Current Limit:1.7A; On State Resistance:0.085ohm; Distribution Switch Case Style:SOT-23; No. of Pins:6; Thermal Protection:Yes; On / Enable;RoHS Compliant: Yes", Case/Package=SOT-23, Manufacturer 1="Texas Instruments", Max Input Voltage=6.5V, Max Operating Temperature=85°C, Max Power Dissipation=625mW, Min Input Voltage=2.5V, Min Operating Temperature=-40°C, On-State Resistance=85mR, Output Current=1.5A, Package Quantity=1, Supplier Part Number 1=296-32464-1-ND, Category="Hot Swap Controllers", ComponentLink1Description=https://datasheet.ciiva.com/15108/getdatasheetpartid-297517-15108509.pdf?src-supplier=Verical, ComponentLink1URL=https://datasheet.ciiva.com/15108/getdatasheetpartid-297517-15108509.pdf?src-supplier=Verical, Lead Free="Lead Free", Manufacturer Part Number=TPS2553DBVR, Max Supply Voltage=6.5V, Min Supply Voltage=2.5V, Number of Outputs=1, Number of Pins=6, Packaging="Tape and Reel", Pricing 1="1=1.20000, 10=1.07100, 25=1.01640, 100=0.78050, 250=0.68972, 500=0.65340, 1000=0.50820 (USD)", Radiation Hardening=No, REACH SVHC="No SVHC", RoHS=Yes, Stock 1=14713, Supplier 1=Digi-Key, Supplier 2=Farnell, Supplier 3=Mouser, Supplier Part Number 2=3124082, Supplier Part Number 3=595-TPS2553DBVR, Weight=0.00127oz

## Via types
v1: diameter 0.6, hole 0.3, Top Layer to Bottom Layer, tented both sides, 32 vias

## Nets (pads, with @x,y where several pads share a name; then routed paths per layer and width w, separated by ;. In a path a pad name is that pad's centre, name@x,y a point inside that pad or via, vN(x,y) a via of type N, cw(c..) or ccw(c..) an arc to the next point about the centre after c; other vN are vias at no path point)
4V15: C2.2 C7.2 R3.2 R7.2 U4.5 U5.1 U5.5 | length 10.7
  Top Layer w0.254: C2.2@5.734,16.666 6.689,16.666
  Top Layer w0.762: 5.117,14.311 5.136,14.292 6.454,14.292 ; 5.361,14.118 7.131,14.118 7.131,14.043 7.457,13.717 U5.5@7.457,12.702 ; C2.2@5.734,16.666 6.689,16.666 7.099,16.666 R3.2 ; U5.1@6.636,9.546 6.636,10.784 7.457,11.604 U5.5@7.457,12.54
GND: C1.1 C2.1 C4.1 C7.1 C9.1 C12.1 D1.1 D2.2 D3.2 D4.2 D5.2 D6.2 D7.2 EC1.2 EC2.2 EC3.2 EC4.2 EC5.2 J1.35 J1.36 J1.37 J1.38 J1.39 J1.40 J11.3 MH2.1 MH4.1 R2.1 U4.2 U5.2 | length 33.2
  Top Layer w0.15: C2.1@3.882,16.951 C2.1@4.109,16.724 ; C9.1 C9.1@9.607,12.856 ; 11.638,11.586 11.738,11.586 ; 11.667,12.928 11.738,12.856
  Top Layer w0.5: 1.948,19.405 1.994,19.405 ; D6.2 2.546,30.778 2.043,31.281 1.948,31.281 1.994,31.281 2.613,31.901 D2.2@3.114,31.901 ; D5.2 2.616,18.903 2.113,19.405 1.994,19.405 ; D4.2 2.591,20.003 1.994,19.405 ; D3.2 2.702,8.208 2.023,7.529 1.948,7.529 2.095,7.529 2.546,7.078 D7.2
  Top Layer w0.762: v1(4.063,15.649) 4.136,15.722 C2.1 C2.1@4.134,16.666 ; v1(4.136,10.784) 4.516,11.164 C12.1 C7.1@5.117,12.711 ; U5.2@7.538,9.871 7.538,9.055 v1(8.039,8.554) ; C1.1 v1(9.982,24.203) ; v1(9.516,14.043) 9.516,12.941 C9.1 ; v1@9.604,29.206 D1.1 ; C9.1@9.607,12.856 11.738,12.856 ; v1(9.99,7.753) 11.715,7.753 11.738,7.776 ; v1(10.003,10.383) 11.672,10.383 11.738,10.316 ; v1(10.033,9.044) 11.736,9.044 11.738,9.046 ; v1@10.063,6.506 11.738,6.506
  Bottom Layer w0.762: 1.948,7.529 2.009,7.59 3.504,7.59 ; 1.948,19.405 2.005,19.462 2.96,19.462 ; 1.948,31.281 2.013,31.217 2.424,31.217 2.823,30.818 3.298,30.818 ; 1.948,43.157 1.974,43.132 2.983,43.132 ; 1.948,55.033 1.99,54.991 3.26,54.991
  other v1: 10.063,6.506 -1.575,20 9.612,29.198 -1.575,30 -1.575,40 -1.575,50
JD_DATA: D2.1 D3.1 D4.1 EC1.1 EC2.1 EC3.1 EC4.1 EC5.1 FB1.1 J11.4 MH1.1 | length 93.7
  Top Layer w0.203: 1.948,20.675 1.985,20.639 3.262,20.639 D4.1@3.298,20.603 ; 1.948,32.551 1.998,32.601 D2.1 ; 1.975,8.826 1.948,8.799 2.057,8.908 D3.1@3.24,8.908
  Top Layer w0.25: -0.002,56.303 1.948,56.303 3.986,54.266 v1(3.986,44.383) 3.986,38.563 4.873,37.675 ; v1(4.952,26.967) 4.952,27.616 5.734,28.398 ; FB1.1 7.004,27.128 5.734,28.398 ; J11.4 4.873,37.675 ; 4.873,37.675 4.873,31.463 v1(4.911,31.426) 5.734,30.602 5.734,28.398
  Bottom Layer w0.203: -0.677,41.887 0.348,41.887 1.142,42.681 1.142,43.621 1.948,44.427 1.971,44.405 ; -0.677,53.763 0.348,53.763 1.142,54.557 1.142,55.497 1.948,56.303 3.004,56.303 3.734,57.034 3.734,58.734 5,60 5,60.021 ; v1@3.963,44.405 v1(3.986,44.383)
  Bottom Layer w0.25: -0.677,6.259 0.275,6.259 1.096,7.08 1.096,8.02 1.875,8.799 1.948,8.799 2.879,9.73 2.879,16.073 1.148,17.804 1.148,17.814 0.95,18.012 0.444,18.012 0.32,18.135 0.32,18.181 1.096,18.956 1.096,19.896 1.875,20.675 2.096,20.675 2.763,21.342 3.455,21.342 3.954,21.841 3.954,25.934 4.952,26.932 v1(4.952,26.967) ; -0.677,18.135 0.275,18.135 ; -0.677,30.011 0.348,30.011 1.142,30.805 1.142,31.745 1.948,32.551 3.785,32.551 v1(4.911,31.426) ; 1.971,44.405 v1@3.963,44.405
JD_DATA_MCU: D1.3 J1.18 R1.1 | length 9.3
  Top Layer w0.25: D1.3 8.654,28.303 9.279,27.678 9.279,27.553 R1.1@9.404,27.428 ; D1.3@8.711,28.453 8.711,28.496 8.654,28.553 8.654,28.703 8.923,28.972 8.923,32.73 10.269,34.076 11.368,34.076 11.738,34.446
JD_PWR: D5.1 D6.1 D7.1 D8.1 EC1.3 EC2.3 EC3.3 EC4.3 EC5.3 J11.2 MH3.1 | length 106.7
  Top Layer w0.304: -0.252,18.135 1.948,18.135 2.016,18.203 D5.1 3.698,18.203 3.904,18.409 3.904,21.138 3.28,21.762 v1@3.28,21.839 ; v1(1.504,9.674) 2.495,9.674 3.218,10.398 ; 1.948,6.259 2.065,6.376 D7.1@3.302,6.376 ; 1.948,30.011 2.003,30.066 3.092,30.066 D6.1 ; 1.948,41.887 1.982,41.921 2.96,41.921 3.298,42.259 ; 1.948,53.763 2.036,53.676 2.909,53.676 3.201,53.384 3.201,53.157 v1(3.258,53.101) ; v1(3.227,21.892) 3.227,22.692 3.334,22.8 3.334,30.078 3.698,30.078 3.892,30.272 3.892,32.881 v1(3.298,33.474) 3.298,42.259 ; v1@3.278,53.08 3.278,45.557 v1(3.298,45.537) 3.298,42.259 ; v1@4.61,41.957 4.618,41.964 7.656,41.964 8.881,40.739 8.881,36.603 J11.2 ; 5,2.521 3.304,4.217 D7.1 4.304,6.378 D8.1@5.154,7.228
  Top Layer w0.34: 1.948,53.763 2.029,53.683 ; v1(2.616,57.142) 3.75,57.142 4.293,56.599 v1(4.293,55.093) ; 3.179,10.398 D5.1@3.179,18.028 ; 3.218,10.398 3.994,9.621 3.994,8.388 4.774,7.608 5.154,7.228 D8.1
  Bottom Layer w0.304: -0.927,8.799 0.348,8.799 1.167,9.618 1.447,9.618 v1(1.504,9.674) ; 1.948,41.887 1.983,41.922 4.576,41.922 v1@4.61,41.957 ; v1(3.258,53.101) 4.293,54.136 v1(4.293,55.093)
  Bottom Layer w0.34: -0.927,20.675 0.348,20.675 1.531,21.858 3.193,21.858 v1(3.227,21.892) ; -0.927,32.551 0.348,32.551 1.317,33.52 3.253,33.52 v1(3.298,33.474) ; -0.927,44.427 0.348,44.427 1.472,45.551 3.284,45.551 v1(3.298,45.537) ; -0.927,56.303 0.348,56.303 1.193,57.148 v1@2.588,57.148
  other v1: 4.61,41.957
NetC1_2: C1.2 FB1.2 R1.2 | length 2.6
  Top Layer w0.203: FB1.2 8.404,26.928 8.904,26.428 9.354,26.428 R1.2 9.354,26.353 C1.2
NetC9_2: C9.2 R7.1 U5.3 U5.4 | length 5.4
  Top Layer w0.254: R7.1 8.306,14.093 8.516,13.883 U5.4@8.516,12.621 ; U5.3@8.488,9.871 8.488,11.314 9.027,11.853 ; U5.4 8.661,12.448 8.661,12.219 9.027,11.853 ; C9.2 9.027,11.853
NetC12_2: C12.2 D8.2 U5.6 | length 7.2
  Top Layer w0.34: U5.6 6.588,12.421 5.862,11.696 5.862,10.884 5.222,10.244 5.142,10.164 5.222,10.084 5.222,9.925 7.885,7.261 D8.2@8.01,7.261
NetL1_2: L1.2 U4.1
NetR2_2: R2.2 R3.1 U4.4 | length 2.7
  Top Layer w0.3: U4.4 7.759,18.385 8.385,17.758 ; R3.1 8.385,17.758 ; R2.2@8.913,18.369 R2.2 8.904,18.353 8.385,17.834 8.385,17.758
VBIT: C4.2 D1.2 J1.27 J1.28 J1.29 J1.30 J1.31 J1.32 J11.1 L1.1 U4.3 U4.6 | length 17.6
  Top Layer w0.5: v1@4.796,17.535 U4.3 ; v1(7.004,15.853) 9.697,15.853 10.269,16.425 ; J11.1 7.69,31.969 7.69,30.567 D1.2@7.704,30.553 ; 7.696,24.856 D1.2@7.696,30.453
  Top Layer w0.762: 11.619,23.135 11.738,23.016 ; 11.738,16.666 11.738,17.936 11.738,19.206
  Bottom Layer w0.5: v1@4.796,17.535 4.816,17.515 5.342,17.515 v1(7.004,15.853)
  other v1: 4.796,17.535
pads on no net: EC1. EC2. EC3. EC4. EC5. J1.1 J1.2 J1.3 J1.4 J1.5 J1.6 J1.7 J1.8 J1.9 J1.10 J1.11 J1.12 J1.13 J1.14 J1.15 J1.16 J1.17 J1.19 J1.20 J1.21 J1.22 J1.23 J1.24 J1.25 J1.26 J1.33 J1.34 J1.41 J1.42 J1.43 J1.44
copper on no net: | length 0.9
  Bottom Layer w0.203: 5.461,58.76 5.461,58.776
  Bottom Layer w0.762: v1(5.904,20.841) 5.904,20.562 5.916,20.55 v1(5.916,20.011)
  other v1: -1.575,10 8.576,20.843 9.389,20.841

## Polygon pours and split planes (outlines as drawn)
no net on Top Layer "DC_DC_4V05" (solid, pour order 6): 6.331,15.552 4.638,15.552 4.638,13.331 5.309,13.331 5.309,14.529
no net on Top Layer "GND" (solid, pour order 5): 10.488,15.552 12.743,15.552 12.743,8.049 10.488,8.049
no net on Top Layer "DC_DC_GND" (solid, pour order 4): 4.316,15.552 4.303,14.957 5.304,14.957 6.288,15.588 6.288,18.468 6.311,18.49 5.497,18.508 5.497,15.552
no net on Top Layer "DC_DC_GND" (solid, pour order 3): 9.697,15.552 8.284,15.552 8.284,17.599 9.697,17.599
no net on Top Layer "DC_DC_4V05" (solid, pour order 1): 7.884,15.552 7.884,14.986 7.059,14.997 6.311,14.302 6.332,11.314 7.884,11.314 7.884,9.248 5.309,9.248 5.309,13.452 5.684,14.371 6.684,15.552
no net on Top Layer "DC_DC_VUBIT" (solid, pour order 0): 9.998,15.552 12.598,15.552 12.598,22.852 12.498,22.952 9.086,22.952 8.011,24.977 6.331,24.977 6.331,22.564 6.942,22.556 6.934,22.054 6.934,20.784 7.036,20.784 7.059,19.397 8.011,19.397 8.004,20.81 9.998,20.81
no net on Bottom Layer "DC_DC_GND" (solid, pour order 2): 5.309,15.552 9.697,15.545 9.697,17.603 5.309,17.617

## Other copper
Top Layer:
  region net NetL1_2: 4.223,25.556 4.223,19.976 5.336,19.976 5.336,25.556
  region net JD_DATA: -2.215,57.8 0.1,57.8 2.2,59.9 2.2,62.215 0.015,62.215 -2.215,59.985
Bottom Layer:
  region net JD_DATA: -2.215,57.8 0.1,57.8 2.2,59.9 2.2,62.215 0.015,62.215 -2.215,59.985

## Silkscreen, mask and mechanical layers (free items; w line width, h text height)
Top Overlay:
  circle w0.254: c6.053,9.623 r0.001
  region: 3.056,58.399 ccw(c2.28,58.206) 2.347,59.003 2.357,59.027 ccw(c0,60) 2.508,59.539 cw(c2.948,59.446) 3.388,59.352 3.393,59.374 cw(c0,60)
  region: 1.601,56.944 cw(c1.794,57.72) 0.997,57.653 0.973,57.643 cw(c0,60) 0.461,57.492 ccw(c0.554,57.052) 0.648,56.612 0.626,56.607 ccw(c0,60)
  region: 1.601,3.056 ccw(c1.794,2.28) 0.997,2.347 0.973,2.357 ccw(c0,0) 0.461,2.508 cw(c0.554,2.948) 0.648,3.388 0.626,3.393 cw(c0,0)
  region: 3.056,1.601 cw(c2.28,1.794) 2.347,0.997 2.357,0.973 cw(c0,0) 2.508,0.461 ccw(c2.948,0.554) 3.388,0.648 3.393,0.626 ccw(c0,0)
  region: 8.399,56.944 ccw(c8.206,57.72) 9.003,57.653 9.027,57.643 ccw(c10,60) 9.539,57.492 cw(c9.446,57.052) 9.352,56.612 9.374,56.607 cw(c10,60)
  region: 6.944,58.399 cw(c7.72,58.206) 7.653,59.003 7.643,59.027 cw(c10,60) 7.492,59.539 ccw(c7.052,59.446) 6.612,59.352 ccw(c10,59.999)
  region: 6.944,1.601 ccw(c7.72,1.794) 7.653,0.997 7.643,0.973 ccw(c10,0) 7.492,0.461 cw(c7.052,0.554) 6.612,0.648 6.607,0.626 cw(c10,0)
  region: 8.399,3.056 cw(c8.206,2.28) 9.003,2.347 9.027,2.357 cw(c10,0) 9.539,2.508 ccw(c9.446,2.948) 9.352,3.388 ccw(c9.999,0)
  lines w0.1: 0.626,3.393 cw(c0,0) 1.601,3.056 ccw(c1.794,2.28) 0.997,2.347 ; 0.626,56.607 ccw(c0,60) 1.601,56.944 cw(c1.794,57.72) 0.997,57.653 ; 0.648,3.388 ccw(c0.554,2.948) 0.461,2.508 cw(c0,0) 0.973,2.357 ; 0.648,56.612 cw(c0.554,57.052) 0.461,57.492 ccw(c0,60) 0.973,57.643 ; 2.347,0.997 ccw(c2.28,1.794) 3.056,1.601 cw(c0,0) 3.393,0.626 ; 2.347,59.003 cw(c2.28,58.206) 3.056,58.399 ccw(c0,60) 3.393,59.374 ; 2.357,0.973 cw(c0,0) 2.508,0.461 ccw(c2.948,0.554) 3.388,0.648 ; 2.357,59.027 ccw(c0,60) 2.508,59.539 cw(c2.948,59.446) 3.388,59.352 ; 6.607,0.626 cw(c10,0) 6.944,1.601 ccw(c7.72,1.794) 7.653,0.997 ; 6.612,0.648 ccw(c7.052,0.554) 7.492,0.461 cw(c10,0) 7.643,0.973 ; 7.643,59.027 cw(c10,60) 7.492,59.539 ccw(c7.052,59.446) 6.612,59.352 ccw(c10,60) 6.944,58.399 cw(c7.72,58.206) 7.653,59.003 ; 9.003,2.347 ccw(c8.206,2.28) 8.399,3.056 cw(c10,0) 9.352,3.389 ; 9.003,57.653 cw(c8.206,57.72) 8.399,56.944 ccw(c10,60) 9.374,56.607 ; 9.027,2.357 cw(c10,0) 9.539,2.508 ccw(c9.446,2.948) 9.352,3.388 ; 9.027,57.643 ccw(c10,60) 9.539,57.492 cw(c9.446,57.052) 9.352,56.612
  lines w0.2: 1.648,57.884 1.634,57.484 ; 2.027,57.408 1.634,57.484 ; 2.117,58.345 2.516,58.366 ; 2.599,57.975 2.516,58.366 ; 1.634,57.484 ccw(c0,60) 2.516,58.366
  lines w0.254: 4.561,20.893 ccw(c4.561,20.894) 4.561,20.893
  text "-" at 8.643,58.146 h3.5 r135
  text "DATA" at 4.589,41.412 h0.76 r270
  text "GND" at 9.067,38.523 h0.76 r270
  text "PWR" at 4.643,35.993 h0.76 r270
  text "VBIT" at 9.067,33.751 h0.76 r270
  text "-" at 8.146,1.357 h3.5 r45
  text "+" at 2.05,1.33 h2.8 r315
Bottom Overlay:
  region: 7.325,11.246 7.325,13.228 6.013,13.228 6.013,11.246
  region: 8.509,14.916 8.509,29.926 4.621,29.926 4.621,14.916
  region: 8.399,56.944 ccw(c8.206,57.72) 9.003,57.653 9.027,57.643 ccw(c10,60) 9.539,57.492 cw(c9.446,57.052) 9.352,56.612 9.374,56.607 cw(c10,60)
  region: 1.601,56.944 cw(c1.794,57.72) 0.997,57.653 0.973,57.643 cw(c0,60) 0.461,57.492 ccw(c0.554,57.052) 0.648,56.612 0.626,56.607 ccw(c0,60)
  region: 3.056,58.399 ccw(c2.28,58.206) 2.347,59.003 2.357,59.027 ccw(c0,60) 2.508,59.539 cw(c2.948,59.446) 3.388,59.352 3.393,59.374 cw(c0,60)
  region: 6.944,58.399 cw(c7.72,58.206) 7.653,59.003 7.643,59.027 cw(c10,60) 7.492,59.539 ccw(c7.052,59.446) 6.612,59.352 ccw(c10,59.999)
  region: 3.056,1.601 cw(c2.28,1.794) 2.347,0.997 2.357,0.973 cw(c0,0) 2.508,0.461 ccw(c2.948,0.554) 3.388,0.648 3.393,0.626 ccw(c0,0)
  region: 1.601,3.056 ccw(c1.794,2.28) 0.997,2.347 0.973,2.357 ccw(c0,0) 0.461,2.508 cw(c0.554,2.948) 0.648,3.388 0.626,3.393 cw(c0,0)
  region: 8.399,3.056 cw(c8.206,2.28) 9.003,2.347 9.027,2.357 cw(c10,0) 9.539,2.508 ccw(c9.446,2.948) 9.352,3.388 ccw(c9.999,0)
  region: 6.944,1.601 ccw(c7.72,1.794) 7.653,0.997 7.643,0.973 ccw(c10,0) 7.492,0.461 cw(c7.052,0.554) 6.612,0.648 6.607,0.626 cw(c10,0)
  lines w0.1: 0.626,3.393 cw(c0,0) 1.601,3.056 ccw(c1.794,2.28) 0.997,2.347 ; 0.626,56.607 ccw(c0,60) 1.601,56.944 cw(c1.794,57.72) 0.997,57.653 ; 0.648,3.388 ccw(c0.554,2.948) 0.461,2.508 cw(c0,0) 0.973,2.357 ; 0.648,56.612 cw(c0.554,57.052) 0.461,57.492 ccw(c0,60) 0.973,57.643 ; 2.347,0.997 ccw(c2.28,1.794) 3.056,1.601 cw(c0,0) 3.393,0.626 ; 2.347,59.003 cw(c2.28,58.206) 3.056,58.399 ccw(c0,60) 3.393,59.374 ; 2.357,0.973 cw(c0,0) 2.508,0.461 ccw(c2.948,0.554) 3.388,0.648 ; 2.357,59.027 ccw(c0,60) 2.508,59.539 cw(c2.948,59.446) 3.388,59.352 ; 6.607,0.626 cw(c10,0) 6.944,1.601 ccw(c7.72,1.794) 7.653,0.997 ; 6.612,0.648 ccw(c7.052,0.554) 7.492,0.461 cw(c10,0) 7.643,0.973 ; 7.643,59.027 cw(c10,60) 7.492,59.539 ccw(c7.052,59.446) 6.612,59.352 ccw(c10,60) 6.944,58.399 cw(c7.72,58.206) 7.653,59.003 ; 9.003,2.347 ccw(c8.206,2.28) 8.399,3.056 cw(c10,0) 9.352,3.389 ; 9.003,57.653 cw(c8.206,57.72) 8.399,56.944 ccw(c10,60) 9.374,56.607 ; 9.027,2.357 cw(c10,0) 9.539,2.508 ccw(c9.446,2.948) 9.352,3.388 ; 9.027,57.643 ccw(c10,60) 9.539,57.492 cw(c9.446,57.052) 9.352,56.612
  lines w0.2: 1.648,57.884 1.634,57.484 ; 2.027,57.408 1.634,57.484 ; 2.117,58.345 2.516,58.366 ; 2.599,57.975 2.516,58.366 ; 1.634,57.484 ccw(c0,60) 2.516,58.366
  text "-" at 8.643,58.146 h3.5 r135
  text "'.ProjectCodenameID'-'.ProjectRevision'" at 6.319,7.293 h0.76 r270
  text "-" at 8.146,1.357 h3.5 r45
  text "+" at 2.05,1.33 h2.8 r315
Alignment:
  circle w0.05: c10,59.979 r3.5
Board Outline:
  lines w0.2: -3.2,13.3 ccw(c-3.2,12.5) -4,12.5 -4,7.5 ccw(c-3.2,7.5) -3.2,6.7 0.9,6.7 ; -3.2,13.3 0.9,13.3 ; -2.5,3 cw(c-1.5,3) -1.5,4 0.9,4 ccw(c0.9,5) 1.9,5 1.9,5.7 ccw(c0.9,5.7) 0.9,6.7 ; -2.5,3.03 -2.5,0 ccw(c0,0) 0,-2.5 10,-2.5 ; -2.5,56.97 -2.5,60 cw(c0,60) 0,62.5 2.25,62.5 cw(c2.25,62.25) 2.5,62.25 2.5,62 ccw(c3.5,62) 4.5,62 4.5,62.25 cw(c4.75,62.25) 4.75,62.5 10,62.5 ; -2.5,57 ccw(c-1.5,57) -1.5,56 0.9,56 cw(c0.9,55) 1.9,55 1.9,54.3 ; 0.9,16.7 -3.2,16.7 cw(c-3.2,17.5) -4,17.5 -4,22.5 cw(c-3.2,22.5) -3.2,23.3 0.9,23.3 ; 0.9,26.7 -3.2,26.7 cw(c-3.2,27.5) -4,27.5 -4,32.5 cw(c-3.2,32.5) -3.2,33.3 0.9,33.3 ; 0.9,36.7 -3.2,36.7 cw(c-3.2,37.5) -4,37.5 -4,42.5 cw(c-3.2,42.5) -3.2,43.3 0.9,43.3 ; 0.9,46.7 -3.2,46.7 cw(c-3.2,47.5) -4,47.5 -4,52.5 cw(c-3.2,52.5) -3.2,53.3 0.9,53.3 ; 0.9,16.7 cw(c0.9,15.7) 1.9,15.7 1.902,14.3 cw(c0.902,14.3) 0.902,13.3 ; 0.9,26.7 cw(c0.9,25.7) 1.9,25.7 1.902,24.3 cw(c0.902,24.3) 0.902,23.3 ; 0.9,36.7 cw(c0.9,35.7) 1.9,35.7 1.902,34.3 cw(c0.902,34.3) 0.902,33.3 ; 0.9,46.7 cw(c0.9,45.7) 1.9,45.7 1.902,44.3 cw(c0.902,44.3) 0.902,43.3 ; 0.902,53.3 ccw(c0.902,54.3) 1.902,54.3 ; 9.998,-2.479 ccw(c9.998,0.021) 12.477,-0.303 ; 10,62.479 cw(c10,59.979) 12.479,60.303 15.898,60.304 15.898,59.514 ; 12.473,-0.303 15.888,-0.303 ; 12.5,59 ccw(c13.5,59) 14.5,59 ; 15.888,-0.3 15.888,0.49 cw(c16.588,0.108) 17.288,0.49 ; 15.897,59.515 ccw(c16.597,59.897) 17.297,59.515 ; 17.288,0.49 17.288,-0.3 24.727,-0.299 ; 17.298,59.514 17.298,60.304 ; 17.298,60.303 24.736,60.303 cw(c24.736,59.453) 25.586,59.453 25.587,57.6 ; 24.736,-0.302 ccw(c24.736,0.548) 25.586,0.548 25.599,2.4

## Text inside footprints (layer, text, board x,y; h text height)
EC1: Mechanical 9 "Jacdac / cable connector  / body" at -8.158,45.179 h1.7 r90
EC2: Mechanical 9 "Jacdac / cable connector  / body" at -8.158,35.179 h1.7 r90
EC3: Mechanical 9 "Jacdac / cable connector  / body" at -8.158,25.179 h1.7 r90
EC4: Mechanical 9 "Jacdac / cable connector  / body" at -8.158,15.179 h1.7 r90
EC5: Mechanical 9 "Jacdac / cable connector  / body" at -8.158,5.179 h1.7 r90